# Altium PCB W5100S-PICO-Mining.PcbDoc (part 1 of 2) (continued)
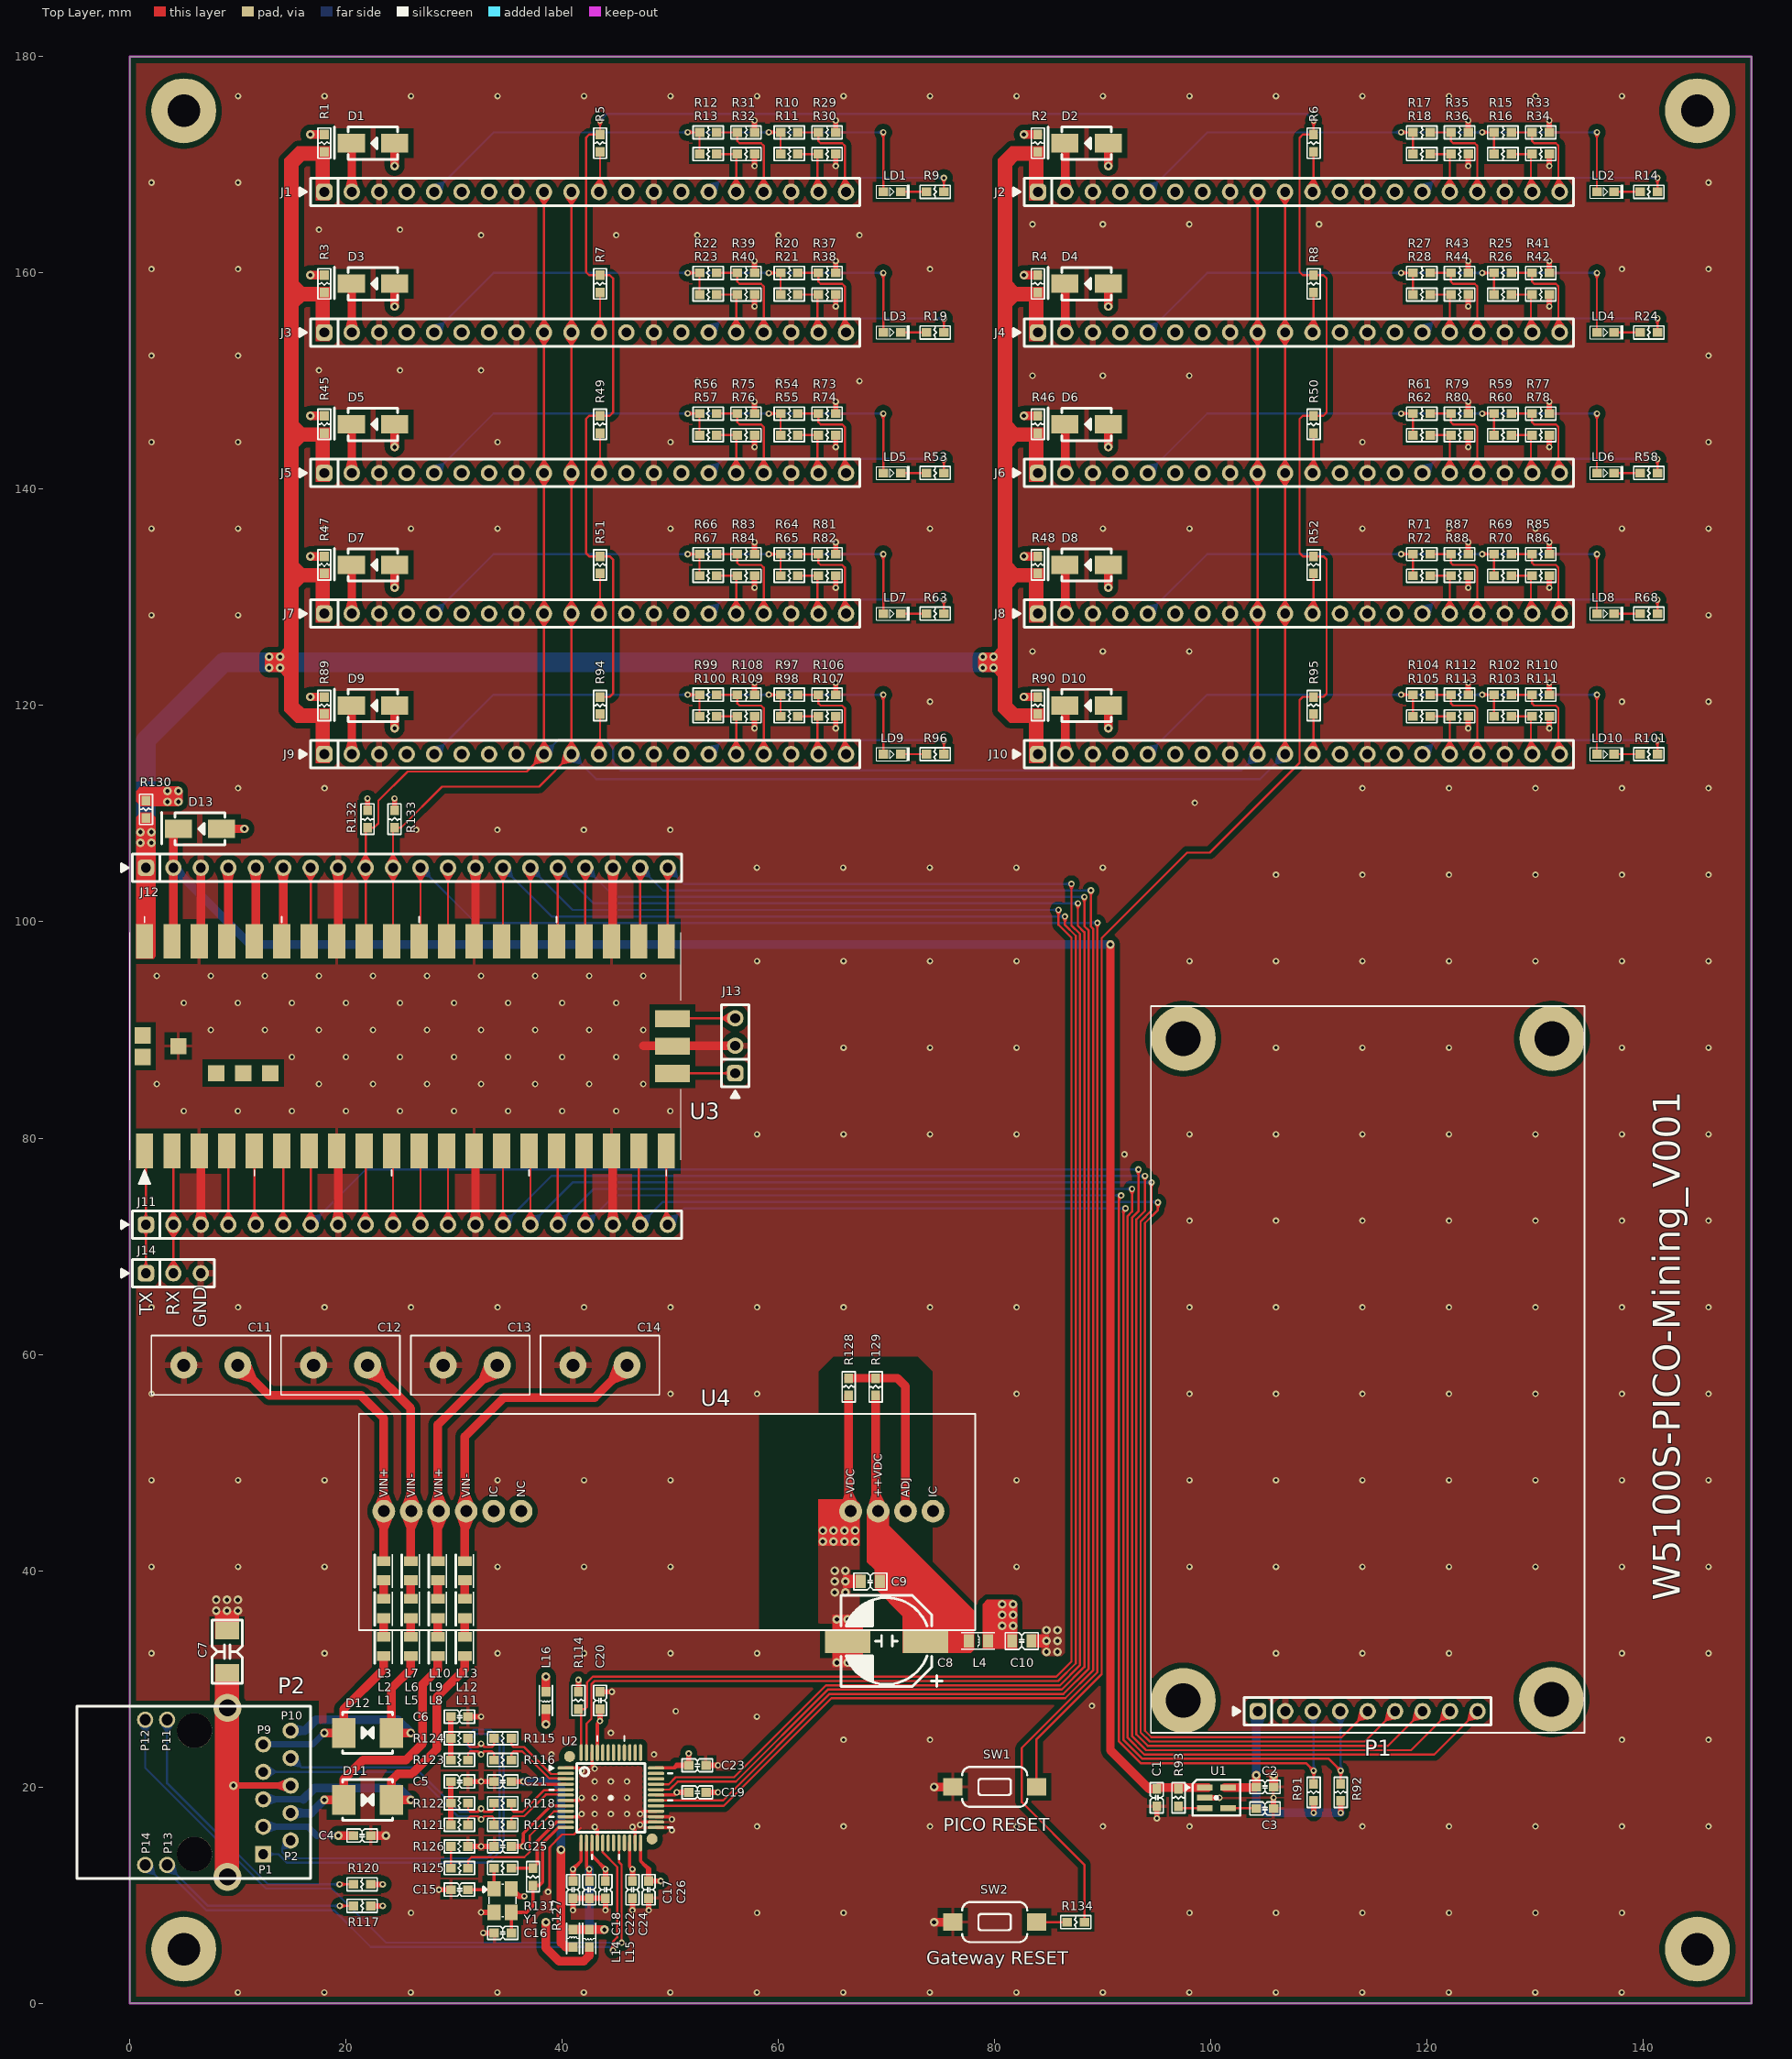
[diagram p0: Top Layer view]
## Components (designator, comment, footprint, x,y, rotation, side; value= is the part's Value field where it differs from the comment)
C1 "1uF" CAP-0603 95,19 r90 top
C2 "1uF" CAP-0603 105,20 r180 top
C3 "0.1uF" CAP-0603 105,18 r180 top
C4 "0.1uF" CAP-0603 21.5,15.5 r180 top
C5 "0.1uF" CAP-0603 30.5,20.5 r180 top
C6 "0.1uF" CAP-0603 30.5,26.5 r180 top
C7 "1nF/2KV" CAP-1808 9,32.5 r90 top
C8 "470uF/16V" CAP-8.3EC 70,33.5 r270 top
C9 "10uF/16V" CAP-0805 68.5,39 r0 top
C10 "10uF/16V" CAP-0805 82.5,33.5 r180 top
C11 "4.7nF/2KV" CK45-E3DD472ZYGNA 7.5,59 r0 top
C12 "4.7nF/2KV" CK45-E3DD472ZYGNA 19.5,59 r0 top
C13 "4.7nF/2KV" CK45-E3DD472ZYGNA 31.5,59 r0 top
C14 "4.7nF/2KV" CK45-E3DD472ZYGNA 43.5,59 r0 top
C15 "18pF" CAP-0603 30.5,10.5 r0 top
C16 "18pF" CAP-0603 34.5,6.5 r0 top
C17 "0.1uF" CAP-0603 46.5,10.5 r90 top
C18 "0.1uF" CAP-0603 41,10.5 r90 top
C19 "0.1uF" CAP-0603 52.5,19.5 r180 top
C20 "0.1uF" CAP-0603 43.5,28 r270 top
C21 "0.1uF" CAP-0603 34.5,20.5 r0 top
C22 "1uF" CAP-0603 42.5,10.5 r90 top
C23 "0.1uF" CAP-0603 52.5,22 r180 top
C24 "0.1uF" CAP-0603 44,10.5 r90 top
C25 "0.1uF" CAP-0603 34.5,14.5 r0 top
C26 "0.1uF" CAP-0603 48,10.5 r90 top
D1 "SS14" DO-214AC/SMA 22.5,172 r180 top locked
D2 "SS14" DO-214AC/SMA 88.5,172 r180 top
D3 "SS14" DO-214AC/SMA 22.5,159 r180 top
D4 "SS14" DO-214AC/SMA 88.5,159 r180 top
D5 "SS14" DO-214AC/SMA 22.5,146 r180 top
D6 "SS14" DO-214AC/SMA 88.5,146 r180 top
D7 "SS14" DO-214AC/SMA 22.5,133 r180 top
D8 "SS14" DO-214AC/SMA 88.5,133 r180 top
D9 "SS14" DO-214AC/SMA 22.5,120 r180 top
D10 "SS14" DO-214AC/SMA 88.5,120 r180 top
D11 "SMBJ58CA (SMB)" DO-214AA/SMB(TVS) 22,18.8 r180 top
D12 "SMBJ58CA (SMB)" DO-214AA/SMB(TVS) 22,25 r180 top
D13 "SS14" DO-214AC/SMA 6.5,108.6 r180 top
J1 "Header Socket Dip 20x1_2.54mm" IDC-1X20(SOCKET) 18,167.5 r0 top
J2 "Header Socket Dip 20x1_2.54mm" IDC-1X20(SOCKET) 84,167.5 r0 top
J3 "Header Socket Dip 20x1_2.54mm" IDC-1X20(SOCKET) 18,154.5 r0 top
J4 "Header Socket Dip 20x1_2.54mm" IDC-1X20(SOCKET) 84,154.5 r0 top
J5 "Header Socket Dip 20x1_2.54mm" IDC-1X20(SOCKET) 18,141.5 r0 top
J6 "Header Socket Dip 20x1_2.54mm" IDC-1X20(SOCKET) 84,141.5 r0 top
J7 "Header Socket Dip 20x1_2.54mm" IDC-1X20(SOCKET) 18,128.5 r0 top
J8 "Header Socket Dip 20x1_2.54mm" IDC-1X20(SOCKET) 84,128.5 r0 top
J9 "Header Socket Dip 20x1_2.54mm" IDC-1X20(SOCKET) 18,115.5 r0 top
J10 "Header Socket Dip 20x1_2.54mm" IDC-1X20(SOCKET) 84,115.5 r0 top
J11 "Pin Header Dip 20x1_2.54mm" IDC-1X20 1.5,72 r0 top
J12 "Pin Header Dip 20x1_2.54mm" IDC-1X20 1.5,105 r0 top
J13 "2.54mm 1x3 Pin Header DIP" idc-1x3 56,86 r90 top
J14 "2.54mm 1x3 Pin Header DIP" idc-1x3 1.5,67.5 r0 top
L1 "MMZ2012S102A" IND-0805 23.5,33 r90 top
L2 "MMZ2012S102A" IND-0805 23.5,36.5 r90 top
L3 "MMZ2012S102A" IND-0805 23.5,40 r90 top
L4 "HH-1M1608-121JT" IND-0805 78.5,33.5 r0 top
L5 "MMZ2012S102A" IND-0805 26,33 r90 top
L6 "MMZ2012S102A" IND-0805 26,36.5 r90 top
L7 "MMZ2012S102A" IND-0805 26,40 r90 top
L8 "MMZ2012S102A" IND-0805 28.5,33 r90 top
L9 "MMZ2012S102A" IND-0805 28.5,36.5 r90 top
L10 "MMZ2012S102A" IND-0805 28.5,40 r90 top
L11 "MMZ2012S102A" IND-0805 31,33 r90 top
L12 "MMZ2012S102A" IND-0805 31,36.5 r90 top
L13 "MMZ2012S102A" IND-0805 31,40 r90 top
L14 "HH-1M1608-121JT" IND-0603 41,6 r90 top
L15 "HH-1M1608-121JT" IND-0603 42.5,6 r270 top
L16 "HH-1M1608-121JT" IND-0603 38.5,28 r270 top
LD1 "Green" LED-0603-GREEN 70.5,167.5 r0 top
LD2 "Green" LED-0603-GREEN 136.5,167.5 r0 top
LD3 "Green" LED-0603-GREEN 70.5,154.5 r0 top
LD4 "Green" LED-0603-GREEN 136.5,154.5 r0 top
LD5 "Green" LED-0603-GREEN 70.5,141.5 r0 top
LD6 "Green" LED-0603-GREEN 136.5,141.5 r0 top
LD7 "Green" LED-0603-GREEN 70.5,128.5 r0 top
LD8 "Green" LED-0603-GREEN 136.5,128.5 r0 top
LD9 "Green" LED-0603-GREEN 70.5,115.5 r0 top
LD10 "Green" LED-0603-GREEN 136.5,115.5 r0 top
P1 "Pin Header Dip 9x1_2.54mm" "LCD(PIN HEADER9X1_2.54)" 114.5,27 r0 top
P2 "RJC-191R" RJC-191R 6,19.5 r270 top
R1 "NC" RES-0603 18,172 r270 top
R2 "NC" RES-0603 84,172 r270 top
R3 "NC" RES-0603 18,159 r270 top
R4 "NC" RES-0603 84,159 r270 top
R5 "1K" RES-0603 43.5,172 r270 top
R6 "1K" RES-0603 109.5,172 r270 top
R7 "1K" RES-0603 43.5,159 r270 top
R8 "1K" RES-0603 109.5,159 r270 top
R9 "300R" RES-0603 74.5,167.5 r0 top
R10 "NC" RES-0603 61,173 r180 top
R11 "NC" RES-0603 61,171 r180 top
R12 "NC" RES-0603 53.5,173 r180 top
R13 "10K" RES-0603 53.5,171 r180 top
R14 "300R" RES-0603 140.5,167.5 r0 top
R15 "NC" RES-0603 127,173 r180 top
R16 "NC" RES-0603 127,171 r180 top
R17 "10K" RES-0603 119.5,173 r180 top
R18 "NC" RES-0603 119.5,171 r180 top
R19 "300R" RES-0603 74.5,154.5 r0 top
R20 "NC" RES-0603 61,160 r180 top
R21 "NC" RES-0603 61,158 r180 top
R22 "10K" RES-0603 53.5,160 r180 top
R23 "10K" RES-0603 53.5,158 r180 top
R24 "300R" RES-0603 140.5,154.5 r0 top
R25 "NC" RES-0603 127,160 r180 top
R26 "10K" RES-0603 127,158 r180 top
R27 "NC" RES-0603 119.5,160 r180 top
R28 "NC" RES-0603 119.5,158 r180 top
R29 "NC" RES-0603 64.5,173 r180 top
R30 "NC" RES-0603 64.5,171 r180 top
R31 "NC" RES-0603 57,173 r180 top
R32 "NC" RES-0603 57,171 r180 top
R33 "NC" RES-0603 130.5,173 r180 top
R34 "NC" RES-0603 130.5,171 r180 top
R35 "NC" RES-0603 123,173 r180 top
R36 "NC" RES-0603 123,171 r180 top
R37 "NC" RES-0603 64.5,160 r180 top
R38 "NC" RES-0603 64.5,158 r180 top
R39 "NC" RES-0603 57,160 r180 top
R40 "NC" RES-0603 57,158 r180 top
R41 "NC" RES-0603 130.5,160 r180 top
R42 "NC" RES-0603 130.5,158 r180 top
R43 "NC" RES-0603 123,160 r180 top
R44 "NC" RES-0603 123,158 r180 top
R45 "NC" RES-0603 18,146 r270 top
R46 "NC" RES-0603 84,146 r270 top
R47 "NC" RES-0603 18,133 r270 top
R48 "NC" RES-0603 84,133 r270 top
R49 "1K" RES-0603 43.5,146 r270 top
R50 "1K" RES-0603 109.5,146 r270 top
R51 "1K" RES-0603 43.5,133 r270 top
R52 "1K" RES-0603 109.5,133 r270 top
R53 "300R" RES-0603 74.5,141.5 r0 top
R54 "NC" RES-0603 61,147 r180 top
R55 "10K" RES-0603 61,145 r180 top
R56 "NC" RES-0603 53.5,147 r180 top
R57 "10K" RES-0603 53.5,145 r180 top
R58 "300R" RES-0603 140.5,141.5 r0 top
R59 "NC" RES-0603 127,147 r180 top
R60 "10K" RES-0603 127,145 r180 top
R61 "10K" RES-0603 119.5,147 r180 top
R62 "NC" RES-0603 119.5,145 r180 top
R63 "300R" RES-0603 74.5,128.5 r0 top
R64 "NC" RES-0603 61,134 r180 top
R65 "10K" RES-0603 61,132 r180 top
R66 "10K" RES-0603 53.5,134 r180 top
R67 "10K" RES-0603 53.5,132 r180 top
R68 "300R" RES-0603 140.5,128.5 r0 top
R69 "10K" RES-0603 127,134 r180 top
R70 "NC" RES-0603 127,132 r180 top
R71 "NC" RES-0603 119.5,134 r180 top
R72 "NC" RES-0603 119.5,132 r180 top
R73 "NC" RES-0603 64.5,147 r180 top
R74 "NC" RES-0603 64.5,145 r180 top
R75 "NC" RES-0603 57,147 r180 top
R76 "NC" RES-0603 57,145 r180 top
R77 "NC" RES-0603 130.5,147 r180 top
R78 "NC" RES-0603 130.5,145 r180 top
R79 "NC" RES-0603 123,147 r180 top
R80 "NC" RES-0603 123,145 r180 top
R81 "NC" RES-0603 64.5,134 r180 top
R82 "NC" RES-0603 64.5,132 r180 top
R83 "NC" RES-0603 57,134 r180 top
R84 "NC" RES-0603 57,132 r180 top
R85 "NC" RES-0603 130.5,134 r180 top
R86 "NC" RES-0603 130.5,132 r180 top
R87 "NC" RES-0603 123,134 r180 top
R88 "NC" RES-0603 123,132 r180 top
R89 "NC" RES-0603 18,120 r270 top
R90 "NC" RES-0603 84,120 r270 top
R91 "NC" RES-0603 109.5,19.5 r270 top
R92 "NC" RES-0603 112,19.5 r270 top
R93 "100K" RES-0603 97,19 r270 top
R94 "1K" RES-0603 43.5,120 r270 top
R95 "1K" RES-0603 109.5,120 r270 top
R96 "300R" RES-0603 74.5,115.5 r0 top
R97 "10K" RES-0603 61,121 r180 top
R98 "NC" RES-0603 61,119 r180 top
R99 "NC" RES-0603 53.5,121 r180 top
R100 "10K" RES-0603 53.5,119 r180 top
R101 "300R" RES-0603 140.5,115.5 r0 top
R102 "10K" RES-0603 127,121 r180 top
R103 "NC" RES-0603 127,119 r180 top
R104 "10K" RES-0603 119.5,121 r180 top
R105 "NC" RES-0603 119.5,119 r180 top
R106 "NC" RES-0603 64.5,121 r180 top
R107 "NC" RES-0603 64.5,119 r180 top
R108 "NC" RES-0603 57,121 r180 top
R109 "NC" RES-0603 57,119 r180 top
R110 "NC" RES-0603 130.5,121 r180 top
R111 "NC" RES-0603 130.5,119 r180 top
R112 "NC" RES-0603 123,121 r180 top
R113 "NC" RES-0603 123,119 r180 top
R114 "4K7" RES-0603 41.5,28 r270 top
R115 "3R3" RES-0603 34.5,24.5 r0 top
R116 "3R3" RES-0603 34.5,22.5 r0 top
R117 "330R" RES-0603 21.5,9 r180 top
R118 "3R3" RES-0603 34.5,18.5 r0 top
R119 "3R3" RES-0603 34.5,16.5 r0 top
R120 "330R" RES-0603 21.5,11 r0 top
R121 "49.9R/1%" RES-0603 30.5,16.5 r0 top
R122 "49.9R/1%" RES-0603 30.5,18.5 r0 top
R123 "49.9R/1%" RES-0603 30.5,22.5 r0 top
R124 "49.9R/1%" RES-0603 30.5,24.5 r0 top
R125 "12K/1%" RES-0603 30.5,12.5 r180 top
R126 "300R" RES-0603 30.5,14.5 r0 top
R127 "1M" RES-0603 37.3,11.7 r90 top
R128 "NC" RES-0603 66.5,57 r270 top
R129 "NC" RES-0603 69,57 r90 top
R130 "NC" RES-0603 1.5,110.4 r270 top
R131 "0R" RES-0603 34.5,12.5 r0 top
R132 "4K7" RES-0603 22,109.5 r90 top
R133 "4K7" RES-0603 24.5,109.5 r90 top
R134 "1K" RES-0603 87.5,7.5 r0 top
SW1 "ITS-1107(SMD)" IT-1107(SMD) 80,20 r180 top
SW2 "ITS-1107(SMD)" IT-1107(SMD) 80,7.5 r180 top
U1 "LM8805SF5-33V" SOT-23-5L 100.5,19 r0 top
U2 "W5100S" LQFP48(0.5/9.0) 44.5,19 r0 top
U3 "PICO" PICO 25.5,88.5 r90 top
U4 "AG9705-2BR" AG9705-2BR 23.5,45.5 r0 top
Y1 "25MHz" OSC-82J0626 34.5,9.5 r270 top

## Footprints (in the part's own frame and the unit in brackets; to place one, negate y for a bottom-side part, rotate by r counter-clockwise, add the part's x,y. Pads: shape width x height; smd on the part's side, far side on the other; paste and mask are expansions set on the pad)
AG9705-2BR [mm]
  round 2.1 hole 1.1: 1(0,0) 2(2.54,0) 3(5.08,0) 4(7.62,0) 5(10.16,0) 6(12.7,0) 6(12.7,0) 7(43.18,0) 8(45.72,0) 9(48.26,0) 10(50.8,0)
  Multi-Layer pour cut-out: 40.2,9 34.7,9 34.7,-11 40.2,-11
  silkscreen extent -2.3,-11 54.7,9, body extent -1.75,-10.25 54.25,8.75, height 14
CAP-8.3EC [mm]
  rect 2.2x4.2 smd: 1(0,3.6) 2(0,-3.6)
  silkscreen extent -4.2,-4.2 4.2,5.15, body extent -4.12,-4.65 4.18,4.65, height 10.31
CAP-0603 [mm] "Ceramic CAP 0603(1608)"
  rect 0.89x0.82 smd: 1(-0.8,0) 2(0.8,0)
  silkscreen extent -1.4,-0.6 1.4,0.6, body extent -0.93,-0.41 0.93,0.41, height 0.81
CAP-0805 [mil]
  rect 36x49 smd: 1(-35,0)
  rect 35.43x49 smd: 2(35,0)
  silkscreen extent -60,-30 60,30, body extent -39,-24 40,25, height 31
CAP-1808 [mm] "Ceramic CAP 1808(4520)"
  rect 1.6x2.2 smd: 1(-1.95,0) 2(1.95,0)
  silkscreen extent -2.92,-1.4 2.92,1.4, body extent -2.25,-1.02 2.25,1.01, height 2
CK45-E3DD472ZYGNA [mm]
  round 2.5 hole 1.2: 1(-2.5,0) 2(2.5,0)
  silkscreen extent -5.5,-2.75 5.5,2.75, body extent -5.5,-2.5 5.5,2.5, height 12.5
DO-214AA/SMB(TVS) [mm]
  rect 2.159x2.743 smd: 1(-2.21,0) 2(2.21,0)
  silkscreen extent -2.3,-1.9 2.3,1.9, body extent -2.71,-1.8 2.69,1.8, height 2.27
DO-214AC/SMA [mm]
  rect 2.5x1.7 smd: 1(-2,0) 2(2,0)
  silkscreen extent -2.3,-1.52 3.56,1.5, body extent -2.46,-1.27 2.47,1.27, height 2
idc-1x3 [mil]
  rrect50% 60x60 hole 36: 1(0,0)
  round 60 hole 36: 2(100,0) 3(200,0)
  silkscreen extent -90,-50 250,50, body extent -49,-49 251,51, height 336
IDC-1X20 [mil]
  rrect50% 60x60 hole 36: 1(0,0)
  round 60 hole 36: 2(100,0) 3(200,0) 4(300,0) 5(400,0) 6(500,0) 7(600,0) 8(700,0) 9(800,0) 10(900,0) 11(1000,0) 12(1100,0) 13(1200,0) 14(1300,0) 15(1400,0) 16(1500,0) 17(1600,0) 18(1700,0) 19(1800,0) 20(1900,0)
  silkscreen extent -90,-50 1950,50, body extent -49,-49 1951,51, height 336
IDC-1X20(SOCKET) [mil]
  rrect50% 60x60 hole 36: 1(0,0)
  round 60 hole 36: 2(100,0) 3(200,0) 4(300,0) 5(400,0) 6(500,0) 7(600,0) 8(700,0) 9(800,0) 10(900,0) 11(1000,0) 12(1100,0) 13(1200,0) 14(1300,0) 15(1400,0) 16(1500,0) 17(1600,0) 18(1700,0) 19(1800,0) 20(1900,0)
  silkscreen extent -90,-50 1950,50, body extent -50,-50 1950,50, height 335
IND-0603 [mm] "Inductor 0603(1608)"
  rect 0.89x0.82 smd: 1(-0.8,0) 2(0.8,0)
  silkscreen extent -1.4,-0.6 1.4,0.6, body extent -0.8,-0.4 0.8,0.4, height 0.95
IND-0805 [mil]
  rect 36x49 smd: 1(-35,0)
  rect 35.43x49 smd: 2(35,0)
  Top Layer pour cut-out: -15,25 -15,-25 15,-25 15,25
  silkscreen extent -63,-30 60,35, body extent -39,-24 39,24, height 37
IT-1107(SMD) [mm]
  rect 1.75x1.6 smd: 1(-3.875,0) 2(3.875,0)
  silkscreen extent -3,-1.85 3,1.85, body extent -4,-1.8 4,1.8, height 2.6
"LCD(PIN HEADER9X1_2.54)" [mil]
  round 236.22 hole 125.98: 0(-671.26,39.37) 0(-671.26,2448.82) 0(669.29,43.31) 0(671.26,2448.82)
  rrect50% 60x60 hole 36: 1(-400,0)
  round 60 hole 36: 2(-300,0) 3(-200,0) 4(-100,0) 5(0,0) 6(100,0) 7(200,0) 8(300,0) 9(400,0)
  silkscreen extent -789,-79 789,2567, body extent -449,-49 451,51, height 336
LED-0603-GREEN [mm] "LED-0603-GREEN"
  rect 0.89x0.82 smd: 1(-0.8,0) 2(0.8,0)
  silkscreen extent -1.41,-0.65 1.65,0.65, body extent -0.85,-0.45 0.85,0.45, height 0.9
LQFP48(0.5/9.0) [mm]
  round 1.016 smd: 0(-3.81,3.81) 0(3.81,-3.81)
  oval 1.55x0.3 smd: 1(-4.175,2.75) 2(-4.175,2.25) 3(-4.175,1.75) 4(-4.175,1.25) 5(-4.175,0.75) 6(-4.175,0.25) 7(-4.175,-0.25) 8(-4.175,-0.75) 9(-4.175,-1.25) 10(-4.175,-1.75) 11(-4.175,-2.25) 12(-4.175,-2.75) 25(4.175,-2.75) 26(4.175,-2.25) 27(4.175,-1.75) 28(4.175,-1.25) 29(4.175,-0.75) 30(4.175,-0.25) 31(4.175,0.25) 32(4.175,0.75) 33(4.175,1.25) 34(4.175,1.75) 35(4.175,2.25) 36(4.175,2.75)
  oval 0.3x1.55 smd: 13(-2.75,-4.175) 14(-2.25,-4.175) 15(-1.75,-4.175) 16(-1.25,-4.175) 17(-0.75,-4.175) 18(-0.25,-4.175) 19(0.25,-4.175) 20(0.75,-4.175) 21(1.25,-4.175) 22(1.75,-4.175) 23(2.25,-4.175) 24(2.75,-4.175) 37(2.75,4.175) 38(2.25,4.175) 39(1.75,4.175) 40(1.25,4.175) 41(0.75,4.175) 42(0.25,4.175) 43(-0.25,4.175) 44(-0.75,4.175) 45(-1.25,4.175) 46(-1.75,4.175) 47(-2.25,4.175) 48(-2.75,4.175)
  silkscreen extent -5.67,-5.67 5.68,5.68, body extent -4.5,-4.5 4.5,4.5, height 1.5
OSC-82J0626 [mm]
  rect 1.4x1.2 smd: 1(-1.1,-0.8) 2(1.1,-0.8) 3(1.1,0.8) 4(-1.1,0.8)
  silkscreen extent -1.5,-1.78 1.5,1.25, body extent -1.7,-1.35 1.7,1.35, height 1.06
PICO [mm]
  rect 3.2x1.6 smd: 1(-9.69,24.13) 2(-9.69,21.59) 3(-9.69,19.05) 4(-9.69,16.51) 5(-9.69,13.97) 6(-9.69,11.43) 7(-9.69,8.89) 8(-9.69,6.35) 9(-9.69,3.81) 10(-9.69,1.27) 11(-9.69,-1.27) 12(-9.69,-3.81) 13(-9.69,-6.35) 14(-9.69,-8.89) 15(-9.69,-11.43) 16(-9.69,-13.97) 17(-9.69,-16.51) 18(-9.69,-19.05) 19(-9.69,-21.59) 20(-9.69,-24.13) 21(9.69,-24.13) 22(9.69,-21.59) 23(9.69,-19.05) 24(9.69,-16.51) 25(9.69,-13.97) 26(9.69,-11.43) 27(9.69,-8.89) 28(9.69,-6.35) 29(9.69,-3.81) 30(9.69,-1.27) 31(9.69,1.27) 32(9.69,3.81) 33(9.69,6.35) 34(9.69,8.89) 35(9.69,11.43) 36(9.69,13.97) 37(9.69,16.51) 38(9.69,19.05) 39(9.69,21.59) 40(9.69,24.13)
  rect 1.6x3.2 smd: D1(-2.54,-24.7) D2(0,-24.7) D3(2.54,-24.7)
  rect 1.5x1.5 smd: TP1(0,21) TP2(1,24.3) TP3(-1,24.3) TP4(-2.5,17.5) TP5(-2.5,15) TP6(-2.5,12.5)
  silkscreen extent -12.75,-25.5 11.97,25.5, body extent -10.5,-25.47 10.5,26.96, height 3.69
RES-0603 [mm] "RES-0603"
  rect 0.89x0.82 smd: 1(-0.8,0) 2(0.8,0)
  silkscreen extent -1.4,-0.6 1.4,0.6, body extent -0.82,-0.41 0.82,0.41, height 0.46
RJC-191R [mm]
  rect 1.5x1.5 hole 0.9: P1(5.72,6.35)
  round 1.5 hole 0.9: P2(4.45,8.89) P3(3.18,6.35) P4(1.91,8.89) P5(0.64,6.35) P6(-0.63,8.89) P7(-1.9,6.35) P8(-3.17,8.89) P9(-4.44,6.35) P10(-5.71,8.89)
  round 1.5 hole 1.02: P11(-6.715,-2.54) P12(-6.715,-4.57) P13(6.715,-2.54) P14(6.715,-4.57)
  round 2.6 hole 1.6: S1(-7.815,3.05) S2(7.815,3.05)
  round 3.25 hole 3.25 unplated: ""(-5.715,0) ""(5.715,0)
  silkscreen extent -7.98,-10.89 7.98,10.71, body extent -7.98,-10.89 7.98,10.71, height 23.35
SOT-23-5L [mm]
  rect 1.45x0.55 smd: 1(-1.075,0.95) 2(-1.075,0) 3(-1.075,-0.95) 4(1.075,-0.95) 5(1.075,0.95)
  silkscreen extent -2.8,-1.65 2.2,1.65, body extent -1.4,-1.45 1.4,1.45, height 1.45

## Part data
C1 C2 C3 C4 C5 C6 C15 C16 C17 C18 C19 C20 C21 C22 C23 C24 C25 C26: library part CAP-0603, "MLCC-0603(1608)"
C7: library part CAP-1808, "MLCC-1808(4520)"
C8: library part "AL-CAP-D 8.0mm_SMD", "AL-CAP D: 8.0mm SMD", Capacitance=10uF, Case Code (Imperial)=1206, Case Code (Metric)=3216, Dielectric Material=Tantalum, ESR (Equivalent Series Resistance)=4R, Leakage Current=1uA, Max Operating Temperature=125°C, Min Operating Temperature=-55°C, Package Quantity=2000, Tolerance=20%, Voltage=10V, Case/Package=1206, Construction=Flat, Depth=1.6mm, Dissipation Factor=6%, Features="General Purpose", Height=1.6mm, Height - Seated (Max)=0.071inch, Lead Free="Lead Free", Lead Pitch=1.2mm, Length=3.2mm, Life (Hours)=2000Hour, Mount="Surface Mount", Number of Pins=2, Packaging="Tape and Reel", Polarity=Polar, Radiation Hardening=No, REACH SVHC="No SVHC", RoHS Compliant=Yes, Series=T491, Size=1.6mm, Termination=SMD/SMT, Voltage Rating=10V, Voltage Rating (DC)=10V, Weight=0.000571oz, Width=0.063inch
C9 C10: library part CAP-0805, "MLCC-0805(2012)"
C11 C12 C13 C14: library part "Ceramic Disk Cap", "Ceramic Disk Capacitor D: 10.5mm", Manufacturer_Name=TDK, Manufacturer_Part_Number=CK45-E3DD472ZYGNA, Mouser Part Number=810-CK45-E3DD472ZYGN, Datasheet Link=https://product.tdk.com/system/files/dam/doc/product/capacitor/ceramic/lead-disc/catalog/leaddisc_commercial_ck45_en.pdf, Height=14.5mm, Mouser Price/Stock=https://www.mouser.co.uk/ProductDetail/TDK/CK45-E3DD472ZYGNA?qs=eSfX1CQlHqqEDnRyEDuzfg%3D%3D
D1 D2 D3 D4 D5 D6 D7 D8 D9 D10 D13: library part "DIODE-Shottky SMA(DO-214AC)", "DIODE SCHOTTKY 40V 1A SMA", Forward Current=1A, Manufacturer="ON Semiconductor", Max Junction Temp=+125°C, Max Repetitive Reverse Voltage=40V, Max Surge Forward Current=40A, Package=403AE, Peak Reverse Current=0.2mA, Temperature="-65°C to +125°C", Temperature Range Low=-65°C, Automotive=No, Category=Diode, ComponentLink2Description=Datasheet, ComponentLink2URL=https://www.onsemi.com/pub/Collateral/SS19-D.PDF, Device Class L1="Discrete Semiconductors", Device Class L2=Diodes, Device Class L3="Schottky Diodes", Digikey Description="DIODE SCHOTTKY 40V 1A SMA", Height=2.5mm, Lead Free=Yes, Manufacturer Part Number=SS14, Mouser Description="Schottky Diodes & Rectifiers SMA 40V 1.0A", Octopart=https://octopart.com/ss14-on+semiconductor-29205033, RoHS=TRUE, Standoff Height=0.05mm, Temperature Range High=+125°C
D11 D12: library part "DIODE-TVS (SMB)", Manufacturer="Vishay Semiconductor", Manufacturer Part Number=SMAJ58CA-E3/61, Operating Junction and Storage Temperature Range="-55 to 150 degC", ComponentLink1Description="Manufacturer URL", ComponentLink1URL=http://www.vishay.com/, ComponentLink2Description=Datasheet, ComponentLink2URL=http://www.vishay.com/docs/88390/smaj50a.pdf, ComponentLink3Description="Package Specification", ComponentLink3URL=http://www.vishay.com/docs/88390/smaj50a.pdf, DatasheetVersion=12/8/2013, ID (uA)=2, IFSM="40 A", Mounting Technology="Surface Mount", PackageDescription="2-Pin DO-214AC (SMA), Body 4.245 x 2.665 mm", PackageReference=DO-214AC-2, Packing="Tape and Reel", PartNumber=SMAJ58CA-E3/61, PPPM (W)="400, 300", RoHS=TRUE, VBR Bi-Directional (V)="6.4 to 231", VWM (V)=58
J1 J2 J3 J4 J5 J6 J7 J8 J9 J10: library part "Header Socket 20x1_2.54mm", "THT Vertical Header Socket WR-PHD, Pitch 2.54 mm, Single Row, 20 pins", Manufacturer_Name=Harwin, Manufacturer_Part_Number=M20-7822046, Mouser Part Number=855-M20-7822046, Datasheet Link=https://www.harwin.com/products/M20-7822046/, Height=8.65mm, Mouser Price/Stock=https://www.mouser.co.uk/ProductDetail/Harwin/M20-7822046?qs=ulE8k0yEMYayyds2fKN7wQ%3D%3D
J11 J12: library part "Pin Header 20x1_2.54mm", "THT Vertical Pin Header WR-PHD, Pitch 2.54 mm, Single Row, 20 pins", Contact Resistance=20mOhm, Manufacturer="Wurth Elektronik", Operating Temperature=-40to105degC, Package Reference=61302011121, Rated Current=3A, Withstanding Voltage=500VAC, Working Voltage=250VAC, Datasheet URL=https://katalog.we-online.de/em/datasheet/6130xx11121.pdf, Gender=Male, Manufacturer URL=http://www.we-online.de, Mounting Technology=THT, Orientation=Vertical, Packaging=Bag, Part Number=61302011121, Pin Number=20, Pitch=2.54mm, Publisher=WurthElektronik, Row Number=Single
L1 L2 L3 L4 L5 L6 L7 L8 L9 L10 L11 L12 L13 L14 L15 L16: library part IND-0603, "Inductor 0603(1608)"
LD1 LD2 LD3 LD4 LD5 LD6 LD7 LD8 LD9 LD10: library part "GREEN LED-0603", "LED-0603"
P1: library part "Pin Header 9x1_2.54mm", "THT Vertical Pin Header WR-PHD, Pitch 2.54 mm, Single Row, 9 pins", Contact Resistance=20mOhm, Manufacturer="Wurth Elektronik", Operating Temperature=-40to105degC, Package Reference=61300911121, Rated Current=3A, Withstanding Voltage=500VAC, Working Voltage=250VAC, Datasheet URL=https://katalog.we-online.de/em/datasheet/6130xx11121.pdf, Gender=Male, Manufacturer URL=http://www.we-online.de, Mounting Technology=THT, Orientation=Vertical, Packaging=Bag, Part Number=61300911121, Pin Number=9, Pitch=2.54mm, Publisher=WurthElektronik, Row Number=Single
P2: "PoE RJ45"
R1 R2 R3 R4 R5 R6 R7 R8 R9 R10 R11 R12 R13 R14 R15 R16 R17 R18 R19 R20 R21 R22 R23 R24 R25 R26 R27 R28 R29 R30 R31 R32 R33 R34 R35 R36 R37 R38 R39 R40 R41 R42 R43 R44 R45 R46 R47 R48 R49 R50 R51 R52 R53 R54 R55 R56 R57 R58 R59 R60 R61 R62 R63 R64 R65 R66 R67 R68 R69 R70 R71 R72 R73 R74 R75 R76 R77 R78 R79 R80 R81 R82 R83 R84 R85 R86 R87 R88 R89 R90 R91 R92 R93 R94 R95 R96 R97 R98 R99 R100 R101 R102 R103 R104 R105 R106 R107 R108 R109 R110 R111 R112 R113 R114 R115 R116 R117 R118 R119 R120 R121 R122 R123 R124 R125 R126 R127 R128 R129 R130 R131 R132 R133 R134: library part RES-0603, "Chip Resistor 0603(1608)", Case Code (Imperial)=0603, Case Code (Metric)=1608, Manufacturer=Yageo, Max Operating Temperature=155degC, Max Power Dissipation=100mW, Min Operating Temperature=-55degC, Package Description="2-Pin Surface Mount Device, Body 1.6 x 0.8 mm", Package Quantity=1, Resistance=1.5KOhm, Temperature Coefficient=100ppm/degreesC, Tolerance=1%, Voltage Rating=50V, Case/Package=0603, Composition=ThickFilm, Datasheet URL=http://www.yageo.com/NewPortal/yageodocoutput?fileName=/pdf/R-Chip/PYu-RC_Group_51_RoHS_L_5.pdf, Datasheet Version="Rev. 5, 10/2016", Depth=0.8mm, Height=0.022inch, Lead Free=LeadFree, Length=0.063inch, Manufacturer URL=http://www.yageo.com/, Military Standard=Not, Number of Pins=2, Number of Terminations=2, Package Reference=0603, Packaging=TapeandReel, Power Rating=100mW, REACH SVHC=NoSVHC, RoHSCompliant=true, Termination=SMD/SMT, Voltage Rating (DC)=50V, Width=0.031inch
SW1 SW2: "TACT Switch (SMD)"
U1: "600mA CMOS LDO Regulator"
U2: "WIZnet Hardwired TCP/IP Chip"
U3: "Module", Manufacturer_Name=RASPBERRY-PI, Datasheet Link=https://datasheets.raspberrypi.org/pico/pico_datasheet.pdf, Height=1mm, Manufacturer_Part_Number=PICO
U4: library part AG9700, "Integrated Circuit", Manufacturer_Name=Silvertel, Datasheet Link=http://silvertel.com/images/datasheets/Ag9700-Datasheet-low-cost-isolated-Power-over-Ethernet-PoE-module-solution.pdf, Height=14mm, Manufacturer_Part_Number=AG9700
Y1: library part OSC-82J0626-25MHz, "X-tal 25MHz,3.2x2.5 SMD, CL=18pF"

## Free pads (board coordinates)
  round 6 hole 3: 0(5,5) 0(5,175) 0(145,5) 0(145,175)

## Via types
v1: diameter 0.6, hole 0.3, Top Layer to Bottom Layer, tented both sides, 466 vias
v2: diameter 0.8, hole 0.4, Top Layer to Bottom Layer, tented both sides, 92 vias

## Nets (pads, with @x,y where several pads share a name; then routed paths per layer and width w, separated by ;. In a path a pad name is that pad's centre, name@x,y a point inside that pad or via, vN(x,y) a via of type N, cw(c..) or ccw(c..) an arc to the next point about the centre after c; other vN are vias at no path point)
1V2A: C21.2 L14.1 U2.4 | length 24.4
  Top Layer w0.3: v1(36.4,20.5) 36.65,20.25 U2.4@40.325,20.25
  Top Layer w0.5: C21.2@35.3,20.5 v1(36.4,20.5)
  Top Layer w0.8: v2(39.9,14.2) 39.9,5.6 40.3,5.2 L14.1@41,5.2
  Bottom Layer w0.8: v1(36.4,20.5) 39.3,20.5 39.9,19.9 v2(39.9,14.2)
1V2D: C17.2 C18.2 C19.2 C20.2 L15.2 U2.13 U2.22 U2.31 U2.45 | length 22.6
  Top Layer w0.3: v1(41,12.4) 41.75,13.15 U2.13@41.75,14.825 ; U2.45@43.25,23.175 43.25,25.85 v1(43.5,26.1) ; U2.22@46.25,14.825 46.25,12.65 v1(46.5,12.4) ; U2.31@48.675,19.25 50.35,19.25 v1(50.6,19.5)
  Top Layer w0.5: C18.2@41,11.3 v1(41,12.4) ; v1(43.5,26.1) C20.2@43.5,27.2 ; C17.2@46.5,11.3 v1(46.5,12.4) ; v1(50.6,19.5) C19.2@51.7,19.5
  Top Layer w0.8: v2(38.5,7.5) 38.5,5.1 39.7,3.9 42,3.9 42.5,4.4 L15.2@42.5,5.2
1V2O: C22.2 L14.2 L15.1 U2.14 | length 13.2
  Top Layer w0.3: U2.14@42.25,14.825 42.25,12.65 v1(42.5,12.4)
  Top Layer w0.5: C22.2@42.5,11.3 v1(42.5,12.4)
  Top Layer w0.8: L14.2@41,6.8 L15.1@42.5,6.8 v2(43.9,6.8)
  Bottom Layer w0.8: v1(42.5,12.4) 42.5,7.4 43.1,6.8 v2(43.9,6.8)
3V3: C23.2 C26.2 J12.5 L16.1 R114.1 R117.1 R120.2 R132.2 R133.2 U2.24 U2.36 U3.36 | length 22.9
  Top Layer w0.3: U2.24@47.25,14.825 47.25,13.15 48,12.4 ; U2.36@48.675,21.75 50.35,21.75 50.6,22
  Top Layer w0.5: R132.2@22,110.3 v1(22,111.4) ; R117.1@22.3,9 v1(23.4,9) ; R120.2@22.3,11 v1(23.4,11) ; R133.2@24.5,110.3 v1(24.5,111.4) ; R114.1@41.5,28.8 v1(41.5,29.9) ; 48,12.4 C26.2@48,11.3 v1(49.1,11.3) ; 50.6,22 C23.2@51.7,22 v1(51.7,23.1)
  Top Layer w0.8: U3.36@11.53,98.19 11.66,98.32 J12.5@11.66,105 ; L16.1@38.5,28.8 v2(38.5,30.2)
3V3_EN: J12.4 U3.37 | length 6.9
  Top Layer w0.8: U3.37@8.99,98.19 9.12,98.32 J12.4@9.12,105
3V3A: C4.2 C24.2 C25.2 L16.2 P2.P3 U2.8 U2.15 | length 21.4
  Top Layer w0.3: v1(36.4,14.5) 36.4,15.7 38.95,18.25 U2.8@40.325,18.25 ; U2.15@42.75,14.825 42.75,13.65 v1(44,12.4)
  Top Layer w0.5: C25.2@35.3,14.5 v1(36.4,14.5) ; C24.2@44,11.3 v1(44,12.4)
  Top Layer w0.8: v2(19.3,15.5) C4.2@20.7,15.5 ; v2(38.5,25.8) L16.2@38.5,27.2
  Bottom Layer w0.6: P2.P3@12.35,16.32 16.48,16.32 17.3,15.5 v2(19.3,15.5)
5V: C10.2 D1.1 D2.1 D3.1 D4.1 D5.1 D6.1 D7.1 D8.1 D9.1 D10.1 D13.1 L4.2 R1.1 R2.1 R3.1 R4.1 R45.1 R46.1 R47.1 R48.1 R89.1 R90.1 R130.1 | length 36.1
  Top Layer w0.8: D13.1@8.5,108.6 v2(10.6,108.6) ; v2(16.7,120.8) R89.1@18,120.8 ; v2(16.7,133.8) R47.1@18,133.8 ; v2(16.7,146.8) R45.1@18,146.8 ; v2(16.7,159.8) R3.1@18,159.8 ; v2(16.7,172.8) R1.1@18,172.8 ; v2(24.5,117.9) D9.1@24.5,120 ; v2(24.5,130.9) D7.1@24.5,133 ; v2(24.5,143.9) D5.1@24.5,146 ; v2(24.5,156.9) D3.1@24.5,159 ; v2(24.5,169.9) D1.1@24.5,172 ; v2(82.7,120.8) R90.1@84,120.8 ; v2(82.7,133.8) R48.1@84,133.8 ; v2(82.7,146.8) R46.1@84,146.8 ; v2(82.7,159.8) R4.1@84,159.8 ; v2(82.7,172.8) R2.1@84,172.8 ; v2(90.5,117.9) D10.1@90.5,120 ; v2(90.5,130.9) D8.1@90.5,133 ; v2(90.5,143.9) D6.1@90.5,146 ; v2(90.5,156.9) D4.1@90.5,159 ; v2(90.5,169.9) D2.1@90.5,172
  other v2: 80.7,34.9 81.7,34.9 80.7,35.9 81.7,35.9 80.7,36.9 81.7,36.9 3.5,111.1 4.5,111.1 3.5,112.1 4.5,112.1
ACTn: P2.P12 U2.20 | length 64.5
  Top Layer w0.2: U2.20@45.25,14.825 45.25,13.05 45.5,12.8 v1(45.5,5.6)
  Bottom Layer w0.2: P2.P12@1.43,26.215 1.43,21.77 12.6,10.6 18.7,10.6 23.7,5.6 v1(45.5,5.6)
ADC_VREF: J12.6 U3.35 | length 6.9
  Top Layer w0.8: U3.35@14.07,98.19 14.2,98.32 J12.6@14.2,105
CGND: C7.1 P2.P6 P2.S1 P2.S2 | length 10.6
  Top Layer w0.6: v2(9.6,20.13) P2.P6@14.89,20.13
  Bottom Layer w0.6: v2(9.6,20.13) P2.P6@14.89,20.13
GND: C1.1 C2.1 C3.1 C4.1 C5.1 C6.1 C7.2 C8.2 C9.1 C10.1 C11.1 C12.1 C13.1 C14.1 C15.1 C16.1 C17.1 C18.1 C19.1 C20.1 C21.1 C22.1 C23.1 C24.1 C25.1 C26.1 J1.3 J1.8 J1.13 J1.18 J2.3 J2.8 J2.13 J2.18 J3.3 J3.8 J3.13 J3.18 J4.3 J4.8 J4.13 J4.18 J5.3 J5.8 J5.13 J5.18 J6.3 J6.8 J6.13 J6.18 J7.3 J7.8 J7.13 J7.18 J8.3 J8.8 J8.13 J8.18 J9.3 J9.8 J9.13 J9.18 J10.3 J10.8 J10.13 J10.18 J11.3 J11.8 J11.13 J11.18 J12.3 J12.8 J12.13 J12.18 J13.2 J14.3 P1.2 R29.1 R30.1 R31.1 R32.1 R33.1 R34.1 R35.1 R36.1 R37.1 R38.1 R39.1 R40.1 R41.1 R42.1 R43.1 R44.1 R73.1 R74.1 R75.1 R76.1 R77.1 R78.1 R79.1 R80.1 R81.1 R82.1 R83.1 R84.1 R85.1 R86.1 R87.1 R88.1 R106.1 R107.1 R108.1 R109.1 R110.1 R111.1 R112.1 R113.1 R126.2 R128.2 SW1.2 SW2.2 U1.2 U2.1 U2.7 U2.10 U2.16 U2.23 U2.25 U2.26 U2.27 U2.28 U2.46 U3.3 U3.8 U3.13 U3.18 U3.23 U3.28 U3.33 U3.38 U3.D2 U3.TP1 U4.7 Y1.2 Y1.4 | length 172.7
  Top Layer w0.2: v1(38.7,10.3) 38.8,10.4 38.8,14.4 40,15.6 41.1,15.6 41.7,16.2
  Top Layer w0.3: U2.10@40.325,17.25 41.55,17.25 v1(41.8,17.5) ; U2.7@40.325,18.75 41.55,18.75 v1(41.8,19) ; U2.1@40.325,21.75 41.55,21.75 v1(41.8,21.5) ; U2.46@42.75,23.175 42.75,21.95 v1(43,21.7) ; v1(43,16.3) 43.25,16.05 U2.16@43.25,14.825 ; v1(46.5,16.3) 46.75,16.05 U2.23@46.75,14.825 ; v1(47.2,16.5) 47.45,16.75 U2.26@48.675,16.75 ; v1(47.2,17.5) 47.45,17.75 U2.28@48.675,17.75 ; U2.25@48.675,16.25 49.9,16.25 v1(50.15,16) ; U2.27@48.675,17.25 49.9,17.25 v1(50.15,17)
  Top Layer w0.5: v1(28.6,10.5) C15.1@29.7,10.5 ; R126.2@31.3,14.5 v1(32.5,14.5) C25.1@33.7,14.5 ; C5.1@31.3,20.5 v1(32.5,20.5) C21.1@33.7,20.5 ; C6.1@31.3,26.5 v1(32.5,26.5) ; v1(32.5,8.4) Y1.2@33.7,8.4 ; v1(32.7,6.5) C16.1@33.7,6.5 ; Y1.4@35.3,10.6 36,9.9 v1(36.5,9.9) ; v1(41,8.6) C18.1@41,9.7 C22.1@42.5,9.7 C24.1@44,9.7 v1(44,8.6) ; C20.1@43.5,28.8 v1(44.6,28.8) ; v1(46.5,8.6) C17.1@46.5,9.7 ; v1(48,8.6) C26.1@48,9.7 ; C19.1@53.3,19.5 v1(54.4,19.5) ; C23.1@53.3,22 v1(54.4,22) ; v1(57.8,117.9) R109.1@57.8,119 ; R108.1@57.8,121 v1(57.8,122.1) ; v1(57.8,130.9) R84.1@57.8,132 ; R83.1@57.8,134 v1(57.8,135.1) ; v1(57.8,143.9) R76.1@57.8,145 ; R75.1@57.8,147 v1(57.8,148.1) ; v1(57.8,156.9) R40.1@57.8,158 ; R39.1@57.8,160 v1(57.8,161.1) ; v1(57.8,169.9) R32.1@57.8,171 ; R31.1@57.8,173 v1(57.8,174.1) ; v1(65.3,117.9) R107.1@65.3,119 ; R106.1@65.3,121 v1(65.3,122.1) ; v1(65.3,130.9) R82.1@65.3,132 ; R81.1@65.3,134 v1(65.3,135.1) ; v1(65.3,143.9) R74.1@65.3,145 ; R73.1@65.3,147 v1(65.3,148.1) ; v1(65.3,156.9) R38.1@65.3,158 ; R37.1@65.3,160 v1(65.3,161.1) ; v1(65.3,169.9) R30.1@65.3,171 ; R29.1@65.3,173 v1(65.3,174.1) ; v1(95,17.1) C1.1@95,18.2 ; U1.2@99.425,19 v1(100.8,19) ; C3.1@105.8,18 v1(105.8,19) ; v1(123.8,117.9) R113.1@123.8,119 ; R112.1@123.8,121 v1(123.8,122.1) ; v1(123.8,130.9) R88.1@123.8,132 ; R87.1@123.8,134 v1(123.8,135.1) ; v1(123.8,143.9) R80.1@123.8,145 ; R79.1@123.8,147 v1(123.8,148.1) ; v1(123.8,156.9) R44.1@123.8,158 ; R43.1@123.8,160 v1(123.8,161.1) ; v1(123.8,169.9) R36.1@123.8,171 ; R35.1@123.8,173 v1(123.8,174.1) ; v1(131.3,117.9) R111.1@131.3,119 ; R110.1@131.3,121 v1(131.3,122.1) ; v1(131.3,130.9) R86.1@131.3,132 ; R85.1@131.3,134 v1(131.3,135.1) ; v1(131.3,143.9) R78.1@131.3,145 ; R77.1@131.3,147 v1(131.3,148.1) ; v1(131.3,156.9) R42.1@131.3,158 ; R41.1@131.3,160 v1(131.3,161.1) ; v1(131.3,169.9) R34.1@131.3,171 ; R33.1@131.3,173 v1(131.3,174.1)
  Top Layer w0.8: U3.3@6.45,78.81 6.58,78.68 J11.3@6.58,72 ; U3.38@6.45,98.19 6.58,98.32 J12.3@6.58,105 ; U3.8@19.15,78.81 19.28,78.68 J11.8@19.28,72 ; U3.33@19.15,98.19 19.28,98.32 J12.8@19.28,105 ; C4.1@22.3,15.5 v2(23.7,15.5) ; U3.13@31.85,78.81 31.98,78.68 J11.13@31.98,72 ; U3.28@31.85,98.19 31.98,98.32 J12.13@31.98,105 ; U3.18@44.55,78.81 44.68,78.68 J11.18@44.68,72 ; U3.23@44.55,98.19 44.68,98.32 J12.18@44.68,105 ; 47.5,88.54 J13.2@56,88.54 ; R128.2@66.5,56.2 66.5,45.68 U4.7@66.68,45.5 ; v2(74.4,7.5) SW2.2@76.125,7.5 ; v2(74.4,20) SW1.2@76.125,20 ; C2.1@105.8,20 v2(105.8,21.1)
  other v1: 10,1 18,1 26,1 34,1 42,1 50,1 58,1 66,1 74,1 82,1 90,1 98,1 106,1 114,1 122,1 130,1 138,1 26.021,8.358 58.021,8.358 66.021,8.358 98.021,8.358 106.021,8.358 114.021,8.358 122.021,8.358 130.021,8.358 138.021,8.358 58.021,16.358 66.021,16.358 74.021,16.358 82.021,16.358 90.021,16.358 98.021,16.358 114.021,16.358 122.021,16.358 130.021,16.358 138.021,16.358 146.021,16.358 43,17.5 44.5,17.5 46,17.5 43,19 44.5,19 46,19 43,20.5 44.5,20.5 46,20.5 39,23 48.5,23 66.021,24.358 74.021,24.358 138.021,24.358 146.021,24.358 44.5,25 58,26.5 50.5,27 89,27.5 2.021,32.358 18.021,32.358 34.021,32.358 42.021,32.358 50.021,32.358 58.021,32.358 106.021,32.358 114.021,32.358 122.021,32.358 138.021,32.358 146.021,32.358 2.021,40.358 10.021,40.358 18.021,40.358 34.021,40.358 42.021,40.358 50.021,40.358 82.021,40.358 98.021,40.358 106.021,40.358 114.021,40.358 122.021,40.358 130.021,40.358 138.021,40.358 146.021,40.358 2.021,48.358 10.021,48.358 18.021,48.358 34.021,48.358 42.021,48.358 50.021,48.358 82.021,48.358 98.021,48.358 106.021,48.358 114.021,48.358 122.021,48.358 130.021,48.358 138.021,48.358 146.021,48.358 2.021,56.358 50.021,56.358 58.021,56.358 82.021,56.358 98.021,56.358 106.021,56.358 114.021,56.358 122.021,56.358 130.021,56.358 138.021,56.358 146.021,56.358 2.021,64.358 10.021,64.358 18.021,64.358 26.021,64.358 34.021,64.358 42.021,64.358 50.021,64.358 58.021,64.358 66.021,64.358 74.021,64.358 82.021,64.358 98.021,64.358 106.021,64.358 114.021,64.358 122.021,64.358 130.021,64.358 138.021,64.358 146.021,64.358 98.021,72.358 106.021,72.358 114.021,72.358 122.021,72.358 130.021,72.358 138.021,72.358 146.021,72.358 92,78.5 58.021,80.358 66.021,80.358 74.021,80.358 82.021,80.358 98.021,80.358 106.021,80.358 114.021,80.358 122.021,80.358 130.021,80.358 138.021,80.358 146.021,80.358 5,82.5 10,82.5 15,82.5 20,82.5 25,82.5 30,82.5 35,82.5 40,82.5 45,82.5 50,82.5 2.5,85 17.5,85 22.5,85 27.5,85 32.5,85 37.5,85 42.5,85 47.5,85 15,87.5 20,87.5 25,87.5 30,87.5 35,87.5 40,87.5 45,87.5 66.021,88.358 74.021,88.358 82.021,88.358 106.021,88.358 114.021,88.358 122.021,88.358 138.021,88.358 146.021,88.358 7.5,90 12.5,90 17.5,90 22.5,90 27.5,90 32.5,90 37.5,90 42.5,90 47.5,90 5,92.5 10,92.5 15,92.5 20,92.5 25,92.5 30,92.5 35,92.5 40,92.5 45,92.5 2.5,95 7.5,95 12.5,95 17.5,95 22.5,95 27.5,95 32.5,95 37.5,95 42.5,95 47.5,95 58.021,96.358 66.021,96.358 74.021,96.358 82.021,96.358 98.021,96.358 106.021,96.358 114.021,96.358 122.021,96.358 130.021,96.358 138.021,96.358 146.021,96.358 106.021,104.358 114.021,104.358 122.021,104.358 130.021,104.358 138.021,104.358 146.021,104.358 58,105 66,105 74,105 82,105 90,105 26.5,108.5 34,108.5 42,108.5 50,108.5 98.5,111 10.021,112.358 18.021,112.358 114.021,112.358 122.021,112.358 130.021,112.358 138.021,112.358 146.021,112.358 74.021,120.358 138.021,120.358 146.021,120.358 83.5,125 90,125 98,125 2.021,128.358 10.021,128.358 146.021,128.358 2.021,136.358 10.021,136.358 18.021,136.358 26.021,136.358 34.021,136.358 50.021,136.358 74.021,136.358 90.021,136.358 98.021,136.358 114.021,136.358 122.021,136.358 130.021,136.358 138.021,136.358 146.021,136.358 2.021,144.358 10.021,144.358 34.021,144.358 50.021,144.358 114.021,144.358 146.021,144.358 52.5,150 60,150 67.5,150 83.5,150.5 90,150.5 98,150.5 17.5,151 25,151 32.5,151 2.021,152.358 10.021,152.358 146.021,152.358 2.021,160.358 10.021,160.358 74.021,160.358 138.021,160.358 146.021,160.358 32.5,163.5 45,163.5 52.5,163.5 60,163.5 67.5,163.5 17.5,164 25,164 83.5,164.5 90,164.5 98,164.5 110,164.5 2.021,168.358 10.021,168.358 146.021,168.358 10.021,176.358 18.021,176.358 26.021,176.358 34.021,176.358 42.021,176.358 50.021,176.358 58.021,176.358 66.021,176.358 74.021,176.358 82.021,176.358 90.021,176.358 98.021,176.358 106.021,176.358 114.021,176.358 122.021,176.358 130.021,176.358 138.021,176.358
  other v2: 65.4,31.5 66.4,31.5 67.4,31.5 84.8,32.5 85.8,32.5 84.8,33.5 85.8,33.5 84.8,34.5 85.8,34.5 65.4,35.5 66.4,35.5 67.4,35.5 8,36.3 9,36.3 10,36.3 8,37.3 9,37.3 10,37.3 65.2,38 66.2,38 65.2,39 66.2,39 65.2,40 66.2,40 64.1,42.7 65.1,42.7 66.1,42.7 67.1,42.7 64.1,43.7 65.1,43.7 66.1,43.7 67.1,43.7
GPIO0: J11.1 J14.1 U3.1 | length 11.4
  Top Layer w0.2: U3.1@1.37,78.81 1.5,78.68 J11.1@1.5,72 J14.1@1.5,67.5
GPIO1: J11.2 J14.2 U3.2 | length 11.4
  Top Layer w0.2: U3.2@3.91,78.81 4.04,78.68 J14.2@4.04,67.5
GPIO2: J11.4 U3.4 | length 6.9
  Top Layer w0.2: U3.4@8.99,78.81 9.12,78.68 J11.4@9.12,72
GPIO3: J11.5 U3.5 | length 6.9
  Top Layer w0.2: U3.5@11.53,78.81 11.53,72.13 J11.5@11.66,72
GPIO4: J11.6 U3.6 | length 6.9
  Top Layer w0.2: U3.6@14.07,78.81 14.2,78.68 J11.6@14.2,72
GPIO5: J11.7 P1.8 U3.7 | length 169.6
  Top Layer w0.2: U3.7@16.61,78.81 16.74,78.68 J11.7@16.74,72 ; v1(93.3,77.1) 93.3,73.234 92.7,72.634 92.7,24.703 94.003,23.4 118.52,23.4 P1.8@122.12,27
  Bottom Layer w0.2: J11.7@16.74,72 21.84,77.1 v1(93.3,77.1)
GPIO6: J11.9 U3.9 | length 6.9
  Top Layer w0.2: U3.9@21.69,78.81 21.82,78.68 J11.9@21.82,72
GPIO7: J11.10 U3.10 | length 6.9
  Top Layer w0.2: U3.10@24.23,78.81 24.36,78.68 J11.10@24.36,72
GPIO8: J11.11 U3.11 | length 6.9
  Top Layer w0.2: U3.11@26.77,78.81 26.9,78.68 J11.11@26.9,72
GPIO9: J11.12 U3.12 | length 6.9
  Top Layer w0.2: U3.12@29.31,78.81 29.44,78.68 J11.12@29.44,72
GPIO10: J11.14 P1.7 U3.14 | length 148.3
  Top Layer w0.2: U3.14@34.39,78.81 34.52,78.68 J11.14@34.52,72 ; v1(93.9,76.5) 93.9,73.269 93.1,72.469 93.1,24.869 94.169,23.8 116.38,23.8 P1.7@119.58,27
  Bottom Layer w0.2: J11.14@34.52,72 39.02,76.5 v1(93.9,76.5)
GPIO11: J11.15 P1.6 U3.15 | length 142.2
  Top Layer w0.2: U3.15@36.93,78.81 37.06,78.68 J11.15@37.06,72 ; v1(94.5,75.9) 94.5,73.303 93.5,72.303 93.5,25.034 94.334,24.2 114.24,24.2 P1.6@117.04,27
  Bottom Layer w0.2: J11.15@37.06,72 40.96,75.9 v1(94.5,75.9)
GPIO12: J11.16 P1.9 U3.16 | length 146.9
  Top Layer w0.2: U3.16@39.47,78.81 39.6,78.68 J11.16@39.6,72 ; v1(92.7,75.3) 92.7,73.2 92.3,72.8 92.3,24.537 93.837,23 120.66,23 P1.9@124.66,27
  Bottom Layer w0.2: J11.16@39.6,72 42.9,75.3 v1(92.7,75.3)
GPIO13: J11.17 P1.3 R91.1 U3.17 | length 134
  Top Layer w0.2: U3.17@42.01,78.81 42.14,78.68 J11.17@42.14,72 ; v1(91.7,74.7) 91.5,74.5 91.5,73.2 91.5,24.206 93.506,22.2 108.8,22.2 v1(109.5,21.5) R91.1@109.5,20.3
  Bottom Layer w0.2: J11.17@42.14,72 44.84,74.7 v1(91.7,74.7) ; P1.3@109.42,27 109.5,26.92 v1(109.5,21.5)